# Altium PCB MercurialSDR.PcbDoc (part 6 of 6)
Units mil, origin at the board's own origin, x right, y up, seen from the top; angles counter-clockwise.
Board outline 3937.01 x 2362.2 mil, 2 copper layers (Top Layer, Bottom Layer); 147 components, 115 nets, 574 pads, 237 vias.
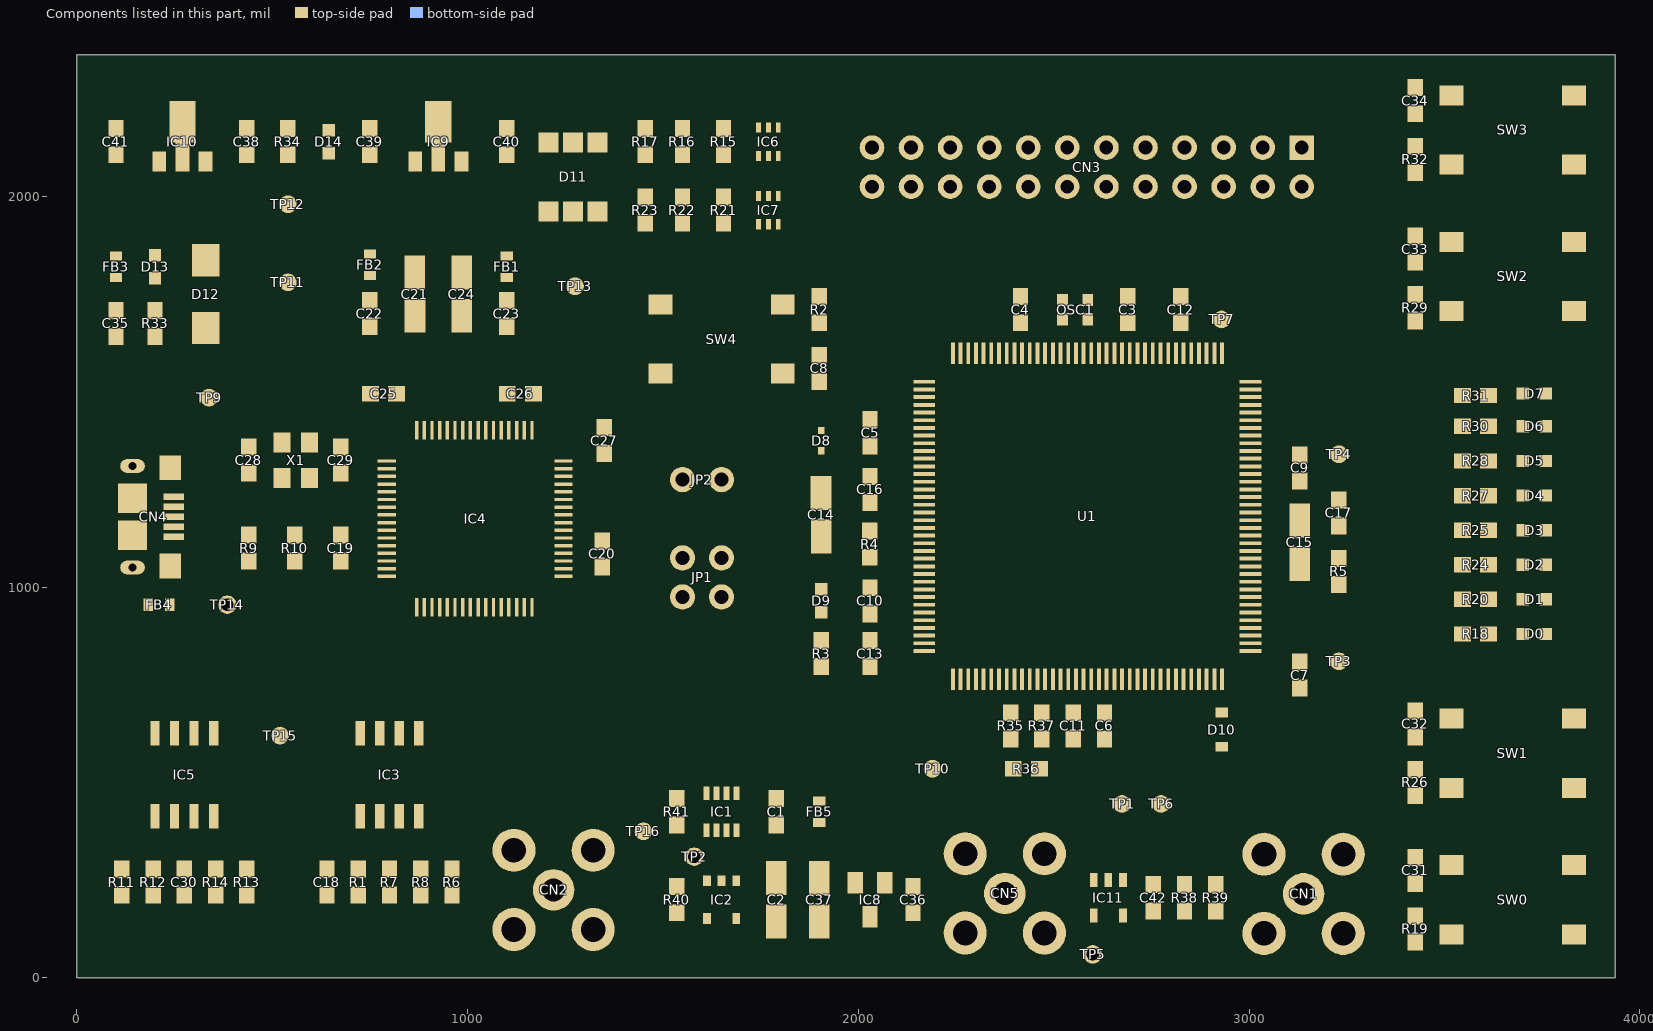
[diagram p6: the components of this part, seen from the top]

## Via types
v1: diameter 27.56, hole 15.75, Top Layer to Bottom Layer, tented both sides, 237 vias

## Nets (pads, with @x,y where several pads share a name; then routed paths per layer and width w, separated by ;. In a path a pad name is that pad's centre, name@x,y a point inside that pad or via, vN(x,y) a via of type N, cw(c..) or ccw(c..) an arc to the next point about the centre after c; other vN are vias at no path point) (continued)
copper on no net: (continued)
  Bottom Layer w1.75: 3447,1825.25 3447,1842.75 ; 3448.75,1830.5 3448.75,1848 ; 3450.5,1790.25 3450.5,1807.75 ; 3450.5,1842.75 3450.5,1853.25 ; 3450.5,2017.75 3450.5,2024.75 ; 3450.5,2042.25 3450.5,2049.25 ; 3450.5,2205 3450.5,2222.5 ; 3450.5,2254 3450.5,2268 ; 3452.25,1788.5 3452.25,1813 ; 3452.25,1849.75 3452.25,1855 ; 3452.25,2017.75 3452.25,2028.25 ; 3452.25,2042.25 3452.25,2054.5 ; 3452.25,2205 3452.25,2226 ; 3452.25,2257.5 3452.25,2275 ; 3454,1786.75 3454,1792 ; 3454,1804.25 3454,1816.5 ; 3454,1853.25 3454,1858.5 ; 3454,2019.5 3454,2031.75 ; 3454,2044 3454,2056.25 ; 3454,2203.25 3454,2206.75 ; 3454,2220.75 3454,2229.5 ; 3454,2269.75 3454,2280.25 ; 3455.75,1786.75 3455.75,1790.25 ; 3455.75,1807.75 3455.75,1818.25 ; 3455.75,1855 3455.75,1860.25 ; 3455.75,2021.25 3455.75,2033.5 ; 3455.75,2045.75 3455.75,2059.75 ; 3455.75,2203.25 3455.75,2206.75 ; 3455.75,2224.25 3455.75,2231.25 ; 3455.75,2276.75 3455.75,2285.5 ; 3457.5,1786.75 3457.5,1790.25 ; 3457.5,1811.25 3457.5,1821.75 ; 3457.5,1856.75 3457.5,1862 ; 3457.5,2023 3457.5,2028.25 ; 3457.5,2030 3457.5,2037 ; 3457.5,2047.5 3457.5,2061.5 ; 3457.5,2203.25 3457.5,2206.75 ; 3457.5,2226 3457.5,2234.75 ; 3457.5,2282 3457.5,2289 ; 3459.25,1788.5 3459.25,1792 ; 3459.25,1813 3459.25,1823.5 ; 3459.25,1858.5 3459.25,1862 ; 3459.25,2024.75 3459.25,2030 ; 3459.25,2031.75 3459.25,2038.75 ; 3459.25,2049.25 3459.25,2054.5 ; 3459.25,2056.25 3459.25,2063.25 ; 3459.25,2205 3459.25,2206.75 ; 3459.25,2229.5 3459.25,2236.5 ; 3459.25,2285.5 3459.25,2292.5 ; 3461,1788.5 3461,1792 ; 3461,1814.75 3461,1825.25 ; 3461,1860.25 3461,1863.75 ; 3461,2026.5 3461,2031.75 ; 3461,2035.25 3461,2040.5 ; 3461,2051 3461,2056.25 ; 3461,2059.75 3461,2065 ; 3461,2205 3461,2208.5 ; 3461,2231.25 3461,2238.25 ; 3461,2289 3461,2294.25 ; 3462.75,1790.25 3462.75,1795.5 ; 3462.75,1816.5 3462.75,1827 ; 3462.75,1860.25 3462.75,1863.75 ; 3462.75,2026.5 3462.75,2033.5 ; 3462.75,2037 3462.75,2042.25 ; 3462.75,2052.75 3462.75,2058 ; 3462.75,2061.5 3462.75,2068.5 ; 3462.75,2205 3462.75,2208.5 ; 3462.75,2233 3462.75,2240 ; 3462.75,2290.75 3462.75,2297.75 ; 3464.5,1792 3464.5,1797.25 ; 3464.5,1820 3464.5,1828.75 ; 3464.5,1862 3464.5,1863.75 ; 3464.5,2028.25 3464.5,2035.25 ; 3464.5,2038.75 3464.5,2044 ; 3464.5,2054.5 3464.5,2059.75 ; 3464.5,2063.25 3464.5,2070.25 ; 3464.5,2206.75 3464.5,2210.25 ; 3464.5,2234.75 3464.5,2241.75 ; 3464.5,2294.25 3464.5,2299.5 ; 3466.25,1793.75 3466.25,1800.75 ; 3466.25,1821.75 3466.25,1830.5 ; 3466.25,1862 3466.25,1863.75 ; 3466.25,2030 3466.25,2037 ; 3466.25,2040.5 3466.25,2045.75 ; 3466.25,2054.5 3466.25,2061.5 ; 3466.25,2065 3466.25,2072 ; 3466.25,2208.5 3466.25,2212 ; 3466.25,2236.5 3466.25,2243.5 ; 3466.25,2296 3466.25,2299.5 ; 3468,1797.25 3468,1804.25 ; 3468,1821.75 3468,1830.5 ; 3468,1862 3468,1863.75 ; 3468,2031.75 3468,2038.75 ; 3468,2042.25 3468,2047.5 ; 3468,2056.25 3468,2063.25 ; 3468,2066.75 3468,2073.75 ; 3468,2210.25 3468,2213.75 ; 3468,2238.25 3468,2245.25 ; 3468,2297.75 3468,2301.25 ; 3469.75,1799 3469.75,1807.75 ; 3469.75,1823.5 3469.75,1832.25 ; 3469.75,1860.25 3469.75,1863.75 ; 3469.75,2033.5 3469.75,2040.5 ; 3469.75,2044 3469.75,2049.25 ; 3469.75,2058 3469.75,2065 ; 3469.75,2068.5 3469.75,2075.5 ; 3469.75,2212 3469.75,2215.5 ; 3469.75,2238.25 3469.75,2247 ; 3469.75,2297.75 3469.75,2303 ; 3471.5,1802.5 3471.5,1813 ; 3471.5,1825.25 3471.5,1832.25 ; 3471.5,1860.25 3471.5,1863.75 ; 3471.5,2035.25 3471.5,2042.25 ; 3471.5,2045.75 3471.5,2051 ; 3471.5,2059.75 3471.5,2066.75 ; 3471.5,2070.25 3471.5,2077.25 ; 3471.5,2213.75 3471.5,2217.25 ; 3471.5,2240 3471.5,2248.75 ; 3471.5,2299.5 3471.5,2303 ; 3473.25,1650.25 3473.25,1659 ; 3473.25,1807.75 3473.25,1816.5 ; 3473.25,1827 3473.25,1832.25 ; 3473.25,1858.5 3473.25,1863.75 ; 3473.25,2035.25 3473.25,2044 ; 3473.25,2047.5 3473.25,2052.75 ; 3473.25,2061.5 3473.25,2068.5 ; 3473.25,2072 3473.25,2079 ; 3473.25,2215.5 3473.25,2220.75 ; 3473.25,2241.75 3473.25,2248.75 ; 3473.25,2299.5 3473.25,2303 ; 3475,1650.25 3475,1660.75 ; 3475,1811.25 3475,1821.75 ; 3475,1827 3475,1834 ; 3475,1856.75 3475,1862 ; 3475,2037 3475,2045.75 ; 3475,2049.25 3475,2054.5 ; 3475,2063.25 3475,2070.25 ; 3475,2073.75 3475,2079 ; 3475,2217.25 3475,2222.5 ; 3475,2243.5 3475,2250.5 ; 3475,2301.25 3475,2303 ; 3476.75,1652 3476.75,1662.5 ; 3476.75,1816.5 3476.75,1834 ; 3476.75,1853.25 3476.75,1860.25 ; 3476.75,2038.75 3476.75,2047.5 ; 3476.75,2051 3476.75,2056.25 ; 3476.75,2063.25 3476.75,2072 ; 3476.75,2075.5 3476.75,2080.75 ; 3476.75,2220.75 3476.75,2226 ; 3476.75,2243.5 3476.75,2252.25 ; 3476.75,2301.25 3476.75,2304.75 ; 3478.5,1653.75 3478.5,1664.25 ; 3478.5,1821.75 3478.5,1858.5 ; 3478.5,2040.5 3478.5,2049.25 ; 3478.5,2052.75 3478.5,2058 ; 3478.5,2065 3478.5,2073.75 ; 3478.5,2077.25 3478.5,2082.5 ; 3478.5,2224.25 3478.5,2227.75 ; 3478.5,2245.25 3478.5,2254 ; 3478.5,2301.25 3478.5,2304.75 ; 3480.25,1655.5 3480.25,1666 ; 3480.25,1828.75 3480.25,1855 ; 3480.25,2042.25 3480.25,2051 ; 3480.25,2054.5 3480.25,2059.75 ; 3480.25,2066.75 3480.25,2075.5 ; 3480.25,2079 3480.25,2084.25 ; 3480.25,2226 3480.25,2231.25 ; 3480.25,2247 3480.25,2255.75 ; 3480.25,2301.25 3480.25,2304.75 ; 3482,1657.25 3482,1666 ; 3482,1828.75 3482,1832.25 ; 3482,2044 3482,2052.75 ; 3482,2056.25 3482,2061.5 ; 3482,2068.5 3482,2077.25 ; 3482,2080.75 3482,2086 ; 3482,2229.5 3482,2234.75 ; 3482,2248.75 3482,2257.5 ; 3482,2299.5 3482,2303 ; 3483.75,1659 3483.75,1667.75 ; 3483.75,1818.25 3483.75,1841 ; 3483.75,2044 3483.75,2054.5 ; 3483.75,2058 3483.75,2061.5 ; 3483.75,2070.25 3483.75,2079 ; 3483.75,2082.5 3483.75,2087.75 ; 3483.75,2233 3483.75,2238.25 ; 3483.75,2248.75 3483.75,2257.5 ; 3483.75,2299.5 3483.75,2303 ; 3485.5,1660.75 3485.5,1669.5 ; 3485.5,1818.25 3485.5,1848 ; 3485.5,2045.75 3485.5,2056.25 ; 3485.5,2059.75 3485.5,2063.25 ; 3485.5,2070.25 3485.5,2080.75 ; 3485.5,2084.25 3485.5,2089.5 ; 3485.5,2236.5 3485.5,2241.75 ; 3485.5,2250.5 3485.5,2259.25 ; 3485.5,2297.75 3485.5,2303 ; 3487.25,1660.75 3487.25,1671.25 ; 3487.25,1818.25 3487.25,1827 ; 3487.25,1837.5 3487.25,1851.5 ; 3487.25,2047.5 3487.25,2058 ; 3487.25,2061.5 3487.25,2065 ; 3487.25,2072 3487.25,2082.5 ; 3487.25,2086 3487.25,2091.25 ; 3487.25,2241.75 3487.25,2247 ; 3487.25,2252.25 3487.25,2261 ; 3487.25,2296 3487.25,2301.25 ; 3489,1662.5 3489,1673 ; 3489,1842.75 3489,1855 ; 3489,2049.25 3489,2059.75 ; 3489,2061.5 3489,2066.75 ; 3489,2073.75 3489,2084.25 ; 3489,2087.75 3489,2093 ; 3489,2245.25 3489,2262.75 ; 3489,2294.25 3489,2299.5 ; 3490.75,1664.25 3490.75,1674.75 ; 3490.75,1758.75 3490.75,1764 ; 3490.75,1846.25 3490.75,1858.5 ; 3490.75,1998.5 3490.75,2003.75 ; 3490.75,2051 3490.75,2059.75 ; 3490.75,2063.25 3490.75,2068.5 ; 3490.75,2075.5 3490.75,2084.25 ; 3490.75,2089.5 3490.75,2094.75 ; 3490.75,2252.25 3490.75,2264.5 ; 3490.75,2290.75 3490.75,2297.75 ; 3492.5,1666 3492.5,1676.5 ; 3492.5,1758.75 3492.5,1765.75 ; 3492.5,1848 3492.5,1860.25 ; 3492.5,1996.75 3492.5,2005.5 ; 3492.5,2051 3492.5,2061.5 ; 3492.5,2065 3492.5,2070.25 ; 3492.5,2077.25 3492.5,2086 ; 3492.5,2091.25 3492.5,2096.5 ; 3492.5,2255.75 3492.5,2278.5 ; 3492.5,2280.25 3492.5,2296 ; 3494.25,1667.75 3494.25,1676.5 ; 3494.25,1760.5 3494.25,1767.5 ; 3494.25,1851.5 3494.25,1863.75 ; 3494.25,1996.75 3494.25,2005.5 ; 3494.25,2052.75 3494.25,2063.25 ; 3494.25,2066.75 3494.25,2072 ; 3494.25,2077.25 3494.25,2087.75 ; 3494.25,2093 3494.25,2098.25 ; 3494.25,2257.5 3494.25,2290.75 ; 3496,1669.5 3496,1678.25 ; 3496,1762.25 3496,1769.25 ; 3496,1853.25 3496,1865.5 ; 3496,1998.5 3496,2003.75 ; 3496,2054.5 3496,2065 ; 3496,2068.5 3496,2073.75 ; 3496,2079 3496,2089.5 ; 3496,2093 3496,2098.25 ; 3496,2259.25 3496,2266.25 ; 3497.75,1671.25 3497.75,1680 ; 3497.75,1764 3497.75,1771 ; 3497.75,1820 3497.75,1835.75 ; 3497.75,1855 3497.75,1867.25 ; 3497.75,2056.25 3497.75,2066.75 ; 3497.75,2070.25 3497.75,2075.5 ; 3497.75,2080.75 3497.75,2091.25 ; 3497.75,2094.75 3497.75,2100 ; 3497.75,2259.25 3497.75,2268 ; 3499.5,1613.5 3499.5,1618.75 ; 3499.5,1673 3499.5,1681.75 ; 3499.5,1765.75 3499.5,1772.75 ; 3499.5,1788.5 3499.5,1793.75 ; 3499.5,1818.25 3499.5,1841 ; 3499.5,1856.75 3499.5,1867.25 ; 3499.5,1909.25 3499.5,1914.5 ; 3499.5,2058 3499.5,2068.5 ; 3499.5,2072 3499.5,2077.25 ; 3499.5,2082.5 3499.5,2093 ; 3499.5,2096.5 3499.5,2101.75 ; 3499.5,2187.5 3499.5,2192.75 ; 3499.5,2261 3499.5,2269.75 ; 3501.25,1615.25 3501.25,1620.5 ; 3501.25,1673 3501.25,1683.5 ; 3501.25,1765.75 3501.25,1774.5 ; 3501.25,1790.25 3501.25,1795.5 ; 3501.25,1816.5 3501.25,1821.75 ; 3501.25,1835.75 3501.25,1844.5 ; 3501.25,1858.5 3501.25,1869 ; 3501.25,1911 3501.25,1916.25 ; 3501.25,1970.5 3501.25,1977.5 ; 3501.25,2058 3501.25,2068.5 ; 3501.25,2073.75 3501.25,2079 ; 3501.25,2082.5 3501.25,2093 ; 3501.25,2098.25 3501.25,2103.5 ; 3501.25,2189.25 3501.25,2194.5 ; 3501.25,2262.75 3501.25,2271.5 ; 3503,1617 3503,1624 ; 3503,1674.75 3503,1685.25 ; 3503,1767.5 3503,1776.25 ; 3503,1792 3503,1799 ; 3503,1816.5 3503,1820 ; 3503,1839.25 3503,1848 ; 3503,1860.25 3503,1870.75 ; 3503,1912.75 3503,1919.75 ; 3503,1970.5 3503,1977.5 ; 3503,2059.75 3503,2070.25 ; 3503,2075.5 3503,2079 ; 3503,2084.25 3503,2094.75 ; 3503,2100 3503,2105.25 ; 3503,2191 3503,2198 ; 3503,2264.5 3503,2271.5 ; 3504.75,1618.75 3504.75,1625.75 ; 3504.75,1638 3504.75,1646.75 ; 3504.75,1650.25 3504.75,1664.25 ; 3504.75,1676.5 3504.75,1687 ; 3504.75,1688.75 3504.75,1701 ; 3504.75,1711.5 3504.75,1720.25 ; 3504.75,1723.75 3504.75,1737.75 ; 3504.75,1757 3504.75,1767.5 ; 3504.75,1769.25 3504.75,1778 ; 3504.75,1793.75 3504.75,1800.75 ; 3504.75,1816.5 3504.75,1820 ; 3504.75,1842.75 3504.75,1849.75 ; 3504.75,1862 3504.75,1870.75 ; 3504.75,1914.5 3504.75,1921.5 ; 3504.75,1935.5 3504.75,1947.75 ; 3504.75,1965.25 3504.75,1977.5 ; 3504.75,1986.25 3504.75,1998.5 ; 3504.75,2009 3504.75,2017.75 ; 3504.75,2031.75 3504.75,2044 ; 3504.75,2061.5 3504.75,2072 ; 3504.75,2077.25 3504.75,2080.75 ; 3504.75,2086 3504.75,2096.5 ; 3504.75,2101.75 3504.75,2107 ; 3504.75,2192.75 3504.75,2199.75 ; 3504.75,2213.75 3504.75,2222.5 ; 3504.75,2226 3504.75,2240 ; 3504.75,2266.25 3504.75,2273.25 ; 3506.5,1618.75 3506.5,1629.25 ; 3506.5,1639.75 3506.5,1648.5 ; 3506.5,1650.25 3506.5,1667.75 ; 3506.5,1678.25 3506.5,1704.5 ; 3506.5,1713.25 3506.5,1722 ; 3506.5,1723.75 3506.5,1741.25 ; 3506.5,1757 3506.5,1779.75 ; 3506.5,1793.75 3506.5,1804.25 ; 3506.5,1816.5 3506.5,1820 ; 3506.5,1846.25 3506.5,1851.5 ; 3506.5,1862 3506.5,1870.75 ; 3506.5,1914.5 3506.5,1925 ; 3506.5,1935.5 3506.5,1949.5 ; 3506.5,1963.5 3506.5,1975.75 ; 3506.5,1984.5 3506.5,2002 ; 3506.5,2009 3506.5,2019.5 ; 3506.5,2031.75 3506.5,2045.75 ; 3506.5,2063.25 3506.5,2073.75 ; 3506.5,2079 3506.5,2082.5 ; 3506.5,2087.75 3506.5,2096.5 ; 3506.5,2103.5 3506.5,2108.75 ; 3506.5,2192.75 3506.5,2203.25 ; 3506.5,2215.5 3506.5,2224.25 ; 3506.5,2226 3506.5,2243.5 ; 3506.5,2268 3506.5,2275 ; 3508.25,1618.75 3508.25,1631 ; 3508.25,1641.5 3508.25,1653.75 ; 3508.25,1659 3508.25,1669.5 ; 3508.25,1680 3508.25,1690.5 ; 3508.25,1695.75 3508.25,1708 ; 3508.25,1715 3508.25,1727.25 ; 3508.25,1732.5 3508.25,1743 ; 3508.25,1757 3508.25,1764 ; 3508.25,1765.75 3508.25,1781.5 ; 3508.25,1793.75 3508.25,1806 ; 3508.25,1816.5 3508.25,1820 ; 3508.25,1848 3508.25,1855 ; 3508.25,1863.75 3508.25,1872.5 ; 3508.25,1914.5 3508.25,1926.75 ; 3508.25,1935.5 3508.25,1940.75 ; 3508.25,1942.5 3508.25,1953 ; 3508.25,1963.5 3508.25,1977.5 ; 3508.25,1984.5 3508.25,1988 ; 3508.25,1993.25 3508.25,2005.5 ; 3508.25,2010.75 3508.25,2021.25 ; 3508.25,2031.75 3508.25,2037 ; 3508.25,2038.75 3508.25,2049.25 ; 3508.25,2063.25 3508.25,2073.75 ; 3508.25,2079 3508.25,2084.25 ; 3508.25,2087.75 3508.25,2098.25 ; 3508.25,2105.25 3508.25,2110.5 ; 3508.25,2192.75 3508.25,2205 ; 3508.25,2217.25 3508.25,2229.5 ; 3508.25,2234.75 3508.25,2245.25 ; 3508.25,2269.75 3508.25,2276.75 ; 3510,1618.75 3510,1624 ; 3510,1627.5 3510,1632.75 ; 3510,1643.25 3510,1653.75 ; 3510,1662.5 3510,1673 ; 3510,1681.75 3510,1690.5 ; 3510,1699.25 3510,1709.75 ; 3510,1716.75 3510,1727.25 ; 3510,1736 3510,1746.5 ; 3510,1757 3510,1765.75 ; 3510,1769.25 3510,1785 ; 3510,1793.75 3510,1799 ; 3510,1802.5 3510,1807.75 ; 3510,1818.25 3510,1821.75 ; 3510,1849.75 3510,1856.75 ; 3510,1865.5 3510,1872.5 ; 3510,1914.5 3510,1919.75 ; 3510,1923.25 3510,1928.5 ; 3510,1937.25 3510,1942.5 ; 3510,1944.25 3510,1954.75 ; 3510,1965.25 3510,1979.25 ; 3510,1984.5 3510,1988 ; 3510,1996.75 3510,2007.25 ; 3510,2012.5 3510,2024.75 ; 3510,2033.5 3510,2038.75 ; 3510,2040.5 3510,2051 ; 3510,2065 3510,2075.5 ; 3510,2080.75 3510,2086 ; 3510,2089.5 3510,2100 ; 3510,2107 3510,2112.25 ; 3510,2192.75 3510,2198 ; 3510,2201.5 3510,2206.75 ; 3510,2219 3510,2229.5 ; 3510,2238.25 3510,2248.75 ; 3510,2271.5 3510,2278.5 ; 3511.75,1618.75 3511.75,1625.75 ; 3511.75,1629.25 3511.75,1636.25 ; 3511.75,1645 3511.75,1653.75 ; 3511.75,1664.25 3511.75,1674.75 ; 3511.75,1683.5 3511.75,1690.5 ; 3511.75,1701 3511.75,1711.5 ; 3511.75,1718.5 3511.75,1727.25 ; 3511.75,1737.75 3511.75,1748.25 ; 3511.75,1758.75 3511.75,1767.5 ; 3511.75,1771 3511.75,1786.75 ; 3511.75,1793.75 3511.75,1800.75 ; 3511.75,1804.25 3511.75,1811.25 ; 3511.75,1818.25 3511.75,1821.75 ; 3511.75,1853.25 3511.75,1858.5 ; 3511.75,1865.5 3511.75,1872.5 ; 3511.75,1914.5 3511.75,1921.5 ; 3511.75,1925 3511.75,1932 ; 3511.75,1939 3511.75,1956.5 ; 3511.75,1965.25 3511.75,1981 ; 3511.75,1984.5 3511.75,1988 ; 3511.75,1998.5 3511.75,2009 ; 3511.75,2014.25 3511.75,2026.5 ; 3511.75,2035.25 3511.75,2052.75 ; 3511.75,2066.75 3511.75,2077.25 ; 3511.75,2082.5 3511.75,2087.75 ; 3511.75,2091.25 3511.75,2100 ; 3511.75,2108.75 3511.75,2114 ; 3511.75,2192.75 3511.75,2199.75 ; 3511.75,2203.25 3511.75,2210.25 ; 3511.75,2220.75 3511.75,2229.5 ; 3511.75,2240 3511.75,2250.5 ; 3511.75,2273.25 3511.75,2280.25 ; 3513.5,1618.75 3513.5,1625.75 ; 3513.5,1632.75 3513.5,1638 ; 3513.5,1646.75 3513.5,1655.5 ; 3513.5,1666 3513.5,1676.5 ; 3513.5,1683.5 3513.5,1692.25 ; 3513.5,1702.75 3513.5,1713.25 ; 3513.5,1720.25 3513.5,1729 ; 3513.5,1739.5 3513.5,1750 ; 3513.5,1758.75 3513.5,1767.5 ; 3513.5,1774.5 3513.5,1788.5 ; 3513.5,1793.75 3513.5,1800.75 ; 3513.5,1807.75 3513.5,1813 ; 3513.5,1820 3513.5,1823.5 ; 3513.5,1855 3513.5,1860.25 ; 3513.5,1865.5 3513.5,1872.5 ; 3513.5,1914.5 3513.5,1921.5 ; 3513.5,1928.5 3513.5,1933.75 ; 3513.5,1942.5 3513.5,1958.25 ; 3513.5,1967 3513.5,1982.75 ; 3513.5,1986.25 3513.5,1989.75 ; 3513.5,2000.25 3513.5,2010.75 ; 3513.5,2016 3513.5,2028.25 ; 3513.5,2038.75 3513.5,2054.5 ; 3513.5,2068.5 3513.5,2077.25 ; 3513.5,2084.25 3513.5,2089.5 ; 3513.5,2091.25 3513.5,2101.75 ; 3513.5,2110.5 3513.5,2115.75 ; 3513.5,2142 3513.5,2149 ; 3513.5,2192.75 3513.5,2199.75 ; 3513.5,2206.75 3513.5,2212 ; 3513.5,2222.5 3513.5,2231.25 ; 3513.5,2241.75 3513.5,2252.25 ; 3513.5,2275 3513.5,2282 ; 3515.25,1611.75 3515.25,1615.25 ; 3515.25,1618.75 3515.25,1627.5 ; 3515.25,1634.5 3515.25,1641.5 ; 3515.25,1648.5 3515.25,1657.25 ; 3515.25,1667.75 3515.25,1676.5 ; 3515.25,1685.25 3515.25,1694 ; 3515.25,1706.25 3515.25,1715 ; 3515.25,1722 3515.25,1730.75 ; 3515.25,1741.25 3515.25,1751.75 ; 3515.25,1760.5 3515.25,1769.25 ; 3515.25,1776.25 3515.25,1790.25 ; 3515.25,1793.75 3515.25,1802.5 ; 3515.25,1809.5 3515.25,1814.75 ; 3515.25,1820 3515.25,1825.25 ; 3515.25,1856.75 3515.25,1860.25 ; 3515.25,1867.25 3515.25,1872.5 ; 3515.25,1907.5 3515.25,1911 ; 3515.25,1914.5 3515.25,1923.25 ; 3515.25,1930.25 3515.25,1935.5 ; 3515.25,1946 3515.25,1960 ; 3515.25,1968.75 3515.25,1991.5 ; 3515.25,2003.75 3515.25,2010.75 ; 3515.25,2017.75 3515.25,2031.75 ; 3515.25,2042.25 3515.25,2056.25 ; 3515.25,2068.5 3515.25,2079 ; 3515.25,2086 3515.25,2091.25 ; 3515.25,2093 3515.25,2101.75 ; 3515.25,2112.25 3515.25,2119.25 ; 3515.25,2140.25 3515.25,2150.75 ; 3515.25,2185.75 3515.25,2189.25 ; 3515.25,2192.75 3515.25,2201.5 ; 3515.25,2208.5 3515.25,2217.25 ; 3515.25,2224.25 3515.25,2233 ; 3515.25,2243.5 3515.25,2252.25 ; 3515.25,2278.5 3515.25,2285.5 ; 3517,1613.5 3517,1627.5 ; 3517,1638 3517,1643.25 ; 3517,1650.25 3517,1659 ; 3517,1669.5 3517,1680 ; 3517,1687 3517,1695.75 ; 3517,1708 3517,1716.75 ; 3517,1723.75 3517,1732.5 ; 3517,1743 3517,1753.5 ; 3517,1760.5 3517,1771 ; 3517,1778 3517,1802.5 ; 3517,1813 3517,1814.75 ; 3517,1821.75 3517,1828.75 ; 3517,1858.5 3517,1862 ; 3517,1867.25 3517,1872.5 ; 3517,1909.25 3517,1923.25 ; 3517,1932 3517,1939 ; 3517,1949.5 3517,1963.5 ; 3517,1970.5 3517,1979.25 ; 3517,1981 3517,1993.25 ; 3517,2005.5 3517,2014.25 ; 3517,2019.5 3517,2035.25 ; 3517,2045.75 3517,2058 ; 3517,2070.25 3517,2079 ; 3517,2087.75 3517,2093 ; 3517,2094.75 3517,2103.5 ; 3517,2114 3517,2121 ; 3517,2140.25 3517,2150.75 ; 3517,2187.5 3517,2201.5 ; 3517,2212 3517,2219 ; 3517,2226 3517,2234.75 ; 3517,2245.25 3517,2254 ; 3517,2280.25 3517,2287.25 ; 3518.75,1615.25 3518.75,1629.25 ; 3518.75,1639.75 3518.75,1645 ; 3518.75,1650.25 3518.75,1660.75 ; 3518.75,1671.25 3518.75,1681.75 ; 3518.75,1688.75 3518.75,1699.25 ; 3518.75,1708 3518.75,1718.5 ; 3518.75,1723.75 3518.75,1734.25 ; 3518.75,1744.75 3518.75,1757 ; 3518.75,1762.25 3518.75,1771 ; 3518.75,1779.75 3518.75,1788.5 ; 3518.75,1790.25 3518.75,1804.25 ; 3518.75,1825.25 3518.75,1832.25 ; 3518.75,1865.5 3518.75,1870.75 ; 3518.75,1911 3518.75,1925 ; 3518.75,1935.5 3518.75,1940.75 ; 3518.75,1953 3518.75,1965.25 ; 3518.75,1972.25 3518.75,1981 ; 3518.75,1988 3518.75,1996.75 ; 3518.75,2005.5 3518.75,2017.75 ; 3518.75,2019.5 3518.75,2028.25 ; 3518.75,2031.75 3518.75,2037 ; 3518.75,2049.25 3518.75,2061.5 ; 3518.75,2072 3518.75,2079 ; 3518.75,2089.5 3518.75,2103.5 ; 3518.75,2117.5 3518.75,2122.75 ; 3518.75,2142 3518.75,2150.75 ; 3518.75,2189.25 3518.75,2203.25 ; 3518.75,2215.5 3518.75,2220.75 ; 3518.75,2226 3518.75,2236.5 ; 3518.75,2247 3518.75,2257.5 ; 3518.75,2283.75 3518.75,2290.75 ; 3518.75,2304.75 3518.75,2327.5 ; 3520.5,1620.5 3520.5,1631 ; 3520.5,1634.5 3520.5,1648.5 ; 3520.5,1652 3520.5,1664.25 ; 3520.5,1673 3520.5,1685.25 ; 3520.5,1690.5 3520.5,1701 ; 3520.5,1709.75 3520.5,1722 ; 3520.5,1725.5 3520.5,1737.75 ; 3520.5,1746.5 3520.5,1758.75 ; 3520.5,1764 3520.5,1772.75 ; 3520.5,1781.5 3520.5,1790.25 ; 3520.5,1795.5 3520.5,1806 ; 3520.5,1809.5 3520.5,1816.5 ; 3520.5,1827 3520.5,1835.75 ; 3520.5,1865.5 3520.5,1870.75 ; 3520.5,1916.25 3520.5,1926.75 ; 3520.5,1930.25 3520.5,1944.25 ; 3520.5,1954.75 3520.5,1960 ; 3520.5,1961.75 3520.5,1968.75 ; 3520.5,1974 3520.5,1981 ; 3520.5,1991.5 3520.5,1998.5 ; 3520.5,2007.25 3520.5,2012.5 ; 3520.5,2014.25 3520.5,2019.5 ; 3520.5,2021.25 3520.5,2030 ; 3520.5,2033.5 3520.5,2040.5 ; 3520.5,2051 3520.5,2063.25 ; 3520.5,2072 3520.5,2079 ; 3520.5,2091.25 3520.5,2105.25 ; 3520.5,2119.25 3520.5,2126.25 ; 3520.5,2145.5 3520.5,2150.75 ; 3520.5,2194.5 3520.5,2205 ; 3520.5,2208.5 3520.5,2215.5 ; 3520.5,2217.25 3520.5,2224.25 ; 3520.5,2227.75 3520.5,2240 ; 3520.5,2248.75 3520.5,2261 ; 3520.5,2287.25 3520.5,2294.25 ; 3520.5,2297.75 3520.5,2318.75 ; 3520.5,2320.5 3520.5,2329.25 ; 3522.25,1624 3522.25,1632.75 ; 3522.25,1634.5 3522.25,1641.5 ; 3522.25,1645 3522.25,1650.25 ; 3522.25,1653.75 3522.25,1667.75 ; 3522.25,1673 3522.25,1678.25 ; 3522.25,1681.75 3522.25,1688.75 ; 3522.25,1692.25 3522.25,1704.5 ; 3522.25,1711.5 3522.25,1715 ; 3522.25,1718.5 3522.25,1723.75 ; 3522.25,1727.25 3522.25,1741.25 ; 3522.25,1746.5 3522.25,1751.75 ; 3522.25,1755.25 3522.25,1762.25 ; 3522.25,1765.75 3522.25,1772.75 ; 3522.25,1783.25 3522.25,1792 ; 3522.25,1799 3522.25,1807.75 ; 3522.25,1809.5 3522.25,1816.5 ; 3522.25,1830.5 3522.25,1841 ; 3522.25,1862 3522.25,1869 ; 3522.25,1919.75 3522.25,1928.5 ; 3522.25,1930.25 3522.25,1937.25 ; 3522.25,1940.75 3522.25,1947.75 ; 3522.25,1954.75 3522.25,1960 ; 3522.25,1965.25 3522.25,1970.5 ; 3522.25,1975.75 3522.25,1982.75 ; 3522.25,1993.25 3522.25,2002 ; 3522.25,2009 3522.25,2012.5 ; 3522.25,2016 3522.25,2031.75 ; 3522.25,2037 3522.25,2044 ; 3522.25,2051 3522.25,2056.25 ; 3522.25,2059.75 3522.25,2066.75 ; 3522.25,2073.75 3522.25,2079 ; 3522.25,2094.75 3522.25,2105.25 ; 3522.25,2121 3522.25,2129.75 ; 3522.25,2143.75 3522.25,2149 ; 3522.25,2198 3522.25,2206.75 ; 3522.25,2208.5 3522.25,2215.5 ; 3522.25,2220.75 3522.25,2226 ; 3522.25,2229.5 3522.25,2243.5 ; 3522.25,2248.75 3522.25,2254 ; 3522.25,2257.5 3522.25,2266.25 ; 3522.25,2290.75 3522.25,2303 ; 3522.25,2325.75 3522.25,2329.25 ; 3524,1625.75 3524,1641.5 ; 3524,1646.75 3524,1660.75 ; 3524,1662.5 3524,1678.25 ; 3524,1685.25 3524,1697.5 ; 3524,1699.25 3524,1715 ; 3524,1720.25 3524,1734.25 ; 3524,1736 3524,1751.75 ; 3524,1758.75 3524,1772.75 ; 3524,1785 3524,1793.75 ; 3524,1800.75 3524,1816.5 ; 3524,1834 3524,1867.25 ; 3524,1921.5 3524,1937.25 ; 3524,1942.5 3524,1960 ; 3524,1968.75 3524,1982.75 ; 3524,1996.75 3524,2012.5 ; 3524,2019.5 3524,2033.5 ; 3524,2038.75 3524,2056.25 ; 3524,2063.25 3524,2079 ; 3524,2096.5 3524,2105.25 ; 3524,2124.5 3524,2147.25 ; 3524,2199.75 3524,2215.5 ; 3524,2222.5 3524,2236.5 ; 3524,2238.25 3524,2254 ; 3524,2261 3524,2329.25 ; 3525.75,1629.25 3525.75,1641.5 ; 3525.75,1650.25 3525.75,1660.75 ; 3525.75,1666 3525.75,1676.5 ; 3525.75,1688.75 3525.75,1697.5 ; 3525.75,1702.75 3525.75,1715 ; 3525.75,1723.75 3525.75,1734.25 ; 3525.75,1739.5 3525.75,1750 ; 3525.75,1762.25 3525.75,1772.75 ; 3525.75,1785 3525.75,1795.5 ; 3525.75,1804.25 3525.75,1816.5 ; 3525.75,1839.25 3525.75,1863.75 ; 3525.75,1925 3525.75,1937.25 ; 3525.75,1946 3525.75,1958.25 ; 3525.75,1972.25 3525.75,1981 ; 3525.75,2000.25 3525.75,2010.75 ; 3525.75,2023 3525.75,2035.25 ; 3525.75,2042.25 3525.75,2054.5 ; 3525.75,2066.75 3525.75,2077.25 ; 3525.75,2098.25 3525.75,2105.25 ; 3525.75,2128 3525.75,2145.5 ; 3525.75,2203.25 3525.75,2215.5 ; 3525.75,2226 3525.75,2236.5 ; 3525.75,2241.75 3525.75,2252.25 ; 3525.75,2266.25 3525.75,2292.5 ; 3525.75,2303 3525.75,2327.5 ; 3527.5,1786.75 3527.5,1795.5 ; 3527.5,2026.5 3527.5,2037 ; 3529.25,1788.5 3529.25,1797.25 ; 3529.25,2030 3529.25,2038.75 ; 3531,1790.25 3531,1799 ; 3531,2031.75 3531,2040.5 ; 3532.75,1792 3532.75,1800.75 ; 3532.75,2033.5 3532.75,2045.75 ; 3534.5,1793.75 3534.5,1802.5 ; 3534.5,2035.25 3534.5,2049.25 ; 3536.25,1793.75 3536.25,1804.25 ; 3536.25,2037 3536.25,2044 ; 3536.25,2047.5 3536.25,2054.5 ; 3538,1795.5 3538,1804.25 ; 3538,2038.75 3538,2045.75 ; 3538,2051 3538,2056.25 ; 3539.75,1797.25 3539.75,1806 ; 3539.75,2040.5 3539.75,2047.5 ; 3539.75,2054.5 3539.75,2059.75 ; 3541.5,1799 3541.5,1807.75 ; 3541.5,2042.25 3541.5,2049.25 ; 3541.5,2056.25 3541.5,2061.5 ; 3543.25,1800.75 3543.25,1809.5 ; 3543.25,2044 3543.25,2051 ; 3543.25,2059.75 3543.25,2063.25 ; 3545,1802.5 3545,1811.25 ; 3545,2045.75 3545,2052.75 ; 3545,2061.5 3545,2065 ; 3546.75,1802.5 3546.75,1813 ; 3546.75,2047.5 3546.75,2054.5 ; 3546.75,2061.5 3546.75,2065 ; 3548.5,1804.25 3548.5,1813 ; 3548.5,2049.25 3548.5,2056.25 ; 3548.5,2063.25 3548.5,2066.75 ; 3550.25,1806 3550.25,1814.75 ; 3550.25,2052.75 3550.25,2066.75 ; 3552,1807.75 3552,1816.5 ; 3552,2054.5 3552,2065 ; 3553.75,1809.5 3553.75,1818.25 ; 3555.5,1811.25 3555.5,1820

## Polygon pours and split planes (outlines as drawn)
AGND on Top Layer "AGND_TOP" (solid, remove dead copper, pour order 0): 1035,0 1035,415 2175,415 2175,0
GND on Top Layer "GND_BOT" (solid, remove dead copper, pour order 6): 0,0 0,2365 3940,2365 3940,0 2195,0 2195,434.18 2194.18,435 1015,435 1015,0
AGND on Bottom Layer "AGND_BOT" (solid, remove dead copper, pour order 2): 1035,0 1035,415 2175,415 2175,0
GND on Bottom Layer "GND_TOP" (solid, remove dead copper, pour order 4): 0,0 0,2365 3940,2365 3940,0 2195,0 2195,435 1015,435 1015,0

## Keep-outs
Keep-Out Layer:
  lines w5: 19.68,19.68 19.68,1948.82 19.68,2342.52 3917.32,2342.52 3917.32,1948.82 3917.32,19.68 19.68,19.68

## Other copper
Bottom Layer:
  text "Agustin Diaz Antuna / Andres Hojnadel / Benjamin Salazar / Leandro Bottinelli" at 3855,2265 h30 r90

## Silkscreen, mask and mechanical layers (free items; w line width, h text height)
Top Overlay:
  text "GND" at 2050,2215 h30 r90
  text "GND" at 2150,2215 h30 r90
  text "L23A" at 2250,2215 h30 r90
  text "L18A" at 2350,2215 h30 r90
  text "L17A" at 2450,2215 h30 r90
  text "L12A" at 2550,2215 h30 r90
  text "L10A" at 2645,2215 h30 r90
  text "L8A" at 2750,2215 h30 r90
  text "L5A" at 2850,2215 h30 r90
  text "L4A" at 2950,2215 h30 r90
  text "+3V3" at 3050,2205 h30 r90
  text "+5V" at 3145,2205 h30 r90
  text "+3V3" at 475,2015 h30
  text "GND" at 2050,1860 h30 r90
  text "GND" at 2150,1860 h30 r90
  text "L8B" at 2750,1860 h30 r90
  text "L5B" at 2850,1860 h30 r90
  text "L4B" at 2945,1860 h30 r90
  text "+5V" at 3150,1860 h30 r90
  text "L18B" at 2350,1835 h30 r90
  text "L17B" at 2450,1835 h30 r90
  text "L12B" at 2550,1835 h30 r90
  text "L10B" at 2650,1835 h30 r90
  text "L23B" at 2250,1830 h30 r90
  text "+3V3" at 3045,1830 h30 r90
  text "+5V" at 490,1815 h30
  text "+1V2" at 1210,1805 h30
  text "+3V3" at 2865,1720 h30
  text "RESET" at 1585,1460 h30
  text "+3V3" at 3175,1380 h30
  text "USB_BUS" at 355,1245 h30 r90
  text "1" at 1475,1065 h30
  text "2" at 1715,1065 h30
  text "PGND" at 390,995 h30 r90
  text "4" at 1715,960 h30
  text "3" at 1470,955 h30
  text "+1V2" at 3180,745 h30
  text "GND" at 480,655 h30
  text "VREF" at 2120,575 h30
  text "Agustin Diaz Antuna / Andres Hojnadel / Benjamin Salazar / Leandro Bottinelli" at 1205,565 h30
  text "PWM_PIN" at 2545,485 h30
  text "AGND" at 1375,430 h30
  text "DAC_SMA" at 1070,420 h30
  text "DIF_SMA" at 2300,415 h30
  text "PWM_SMA" at 3115,415 h30
  text "+3V3" at 2715,380 h30
  text "DAC_OUT" at 1465,115 h30 r90
  text "PWM_OUT" at 2650,45 h30
  text "EL GRAN GRUPO 5" at 45,40 h30
Mechanical 1:
  the board outline again, w5
Mechanical 7:
  lines w5: 1025,-35 1025,425 1650,425 ; 1555,425 2175,425 ; 2185,-45 2185,425

## Text inside footprints (layer, text, board x,y; h text height)
C2: Top Overlay "+" at 1810,60 h40 r90
C14: Top Overlay "+" at 1865,1090 h40 r90
C15: Top Overlay "+" at 3095,1020 h40 r90
C21: Top Overlay "+" at 845,1620 h40 r90
C24: Top Overlay "+" at 960,1625 h40 r90
C37: Top Overlay "+" at 1920,60 h40 r90